# Altium PCB ELRS Gemini TX.PcbDoc (part 2 of 2)
Units mm, origin at the board's own origin, x right, y up, seen from the top; angles counter-clockwise.
Board outline 80 x 100 mm, 4 copper layers (L1 - Top, L2 - GND, L3 - Power, L4 - Bottom), stack 1.591 mm thick; 125 components, 64 nets, 367 pads, 564 vias.
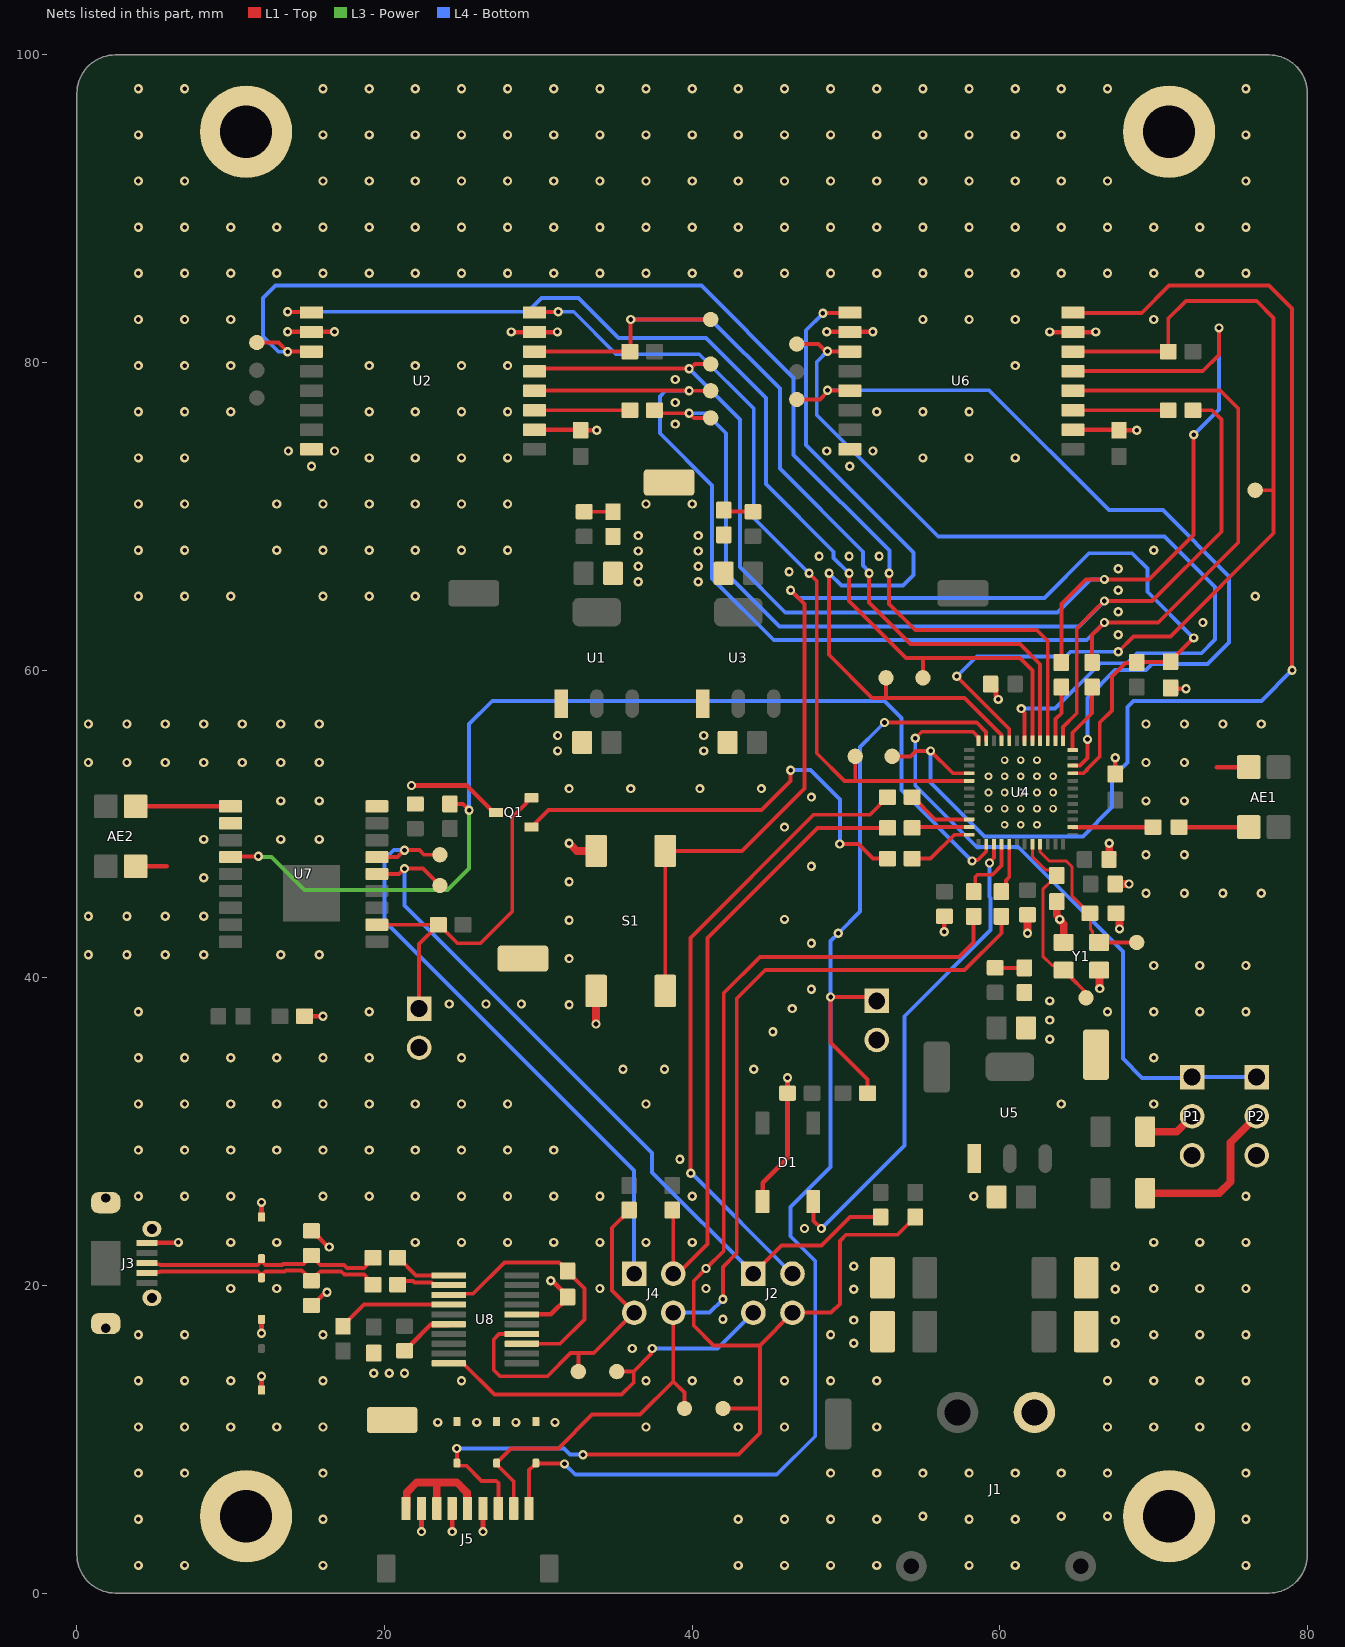
[diagram p4: the nets of this part, all layers, seen from the top]

## Via types
v1: diameter 0.6, hole 0.3, L1 - Top to L4 - Bottom, tented both sides, 543 vias
v2: diameter 0.5, hole 0.25, L1 - Top to L4 - Bottom, tented bottom, 21 vias

## Nets (pads, with @x,y where several pads share a name; then routed paths per layer and width w, separated by ;. In a path a pad name is that pad's centre, name@x,y a point inside that pad or via, vN(x,y) a via of type N, cw(c..) or ccw(c..) an arc to the next point about the centre after c; other vN are vias at no path point) (continued)
DIO1_2: TP25.1 U4.10 U6.13 | length 54.8
  L1 - Top w0.254: TP25.1@46.8,77.6 48.3,77.6 v1@48.8,78.1 ; v1(48.8,78.2) 48.815,78.185 50.235,78.185 U6.13@50.25,78.17 ; U4.10@64.73,53.8 65.2,53.8 65.7,54.3 v1(65.7,55.5)
  L4 - Bottom w0.254: v1(48.8,78.2) 59.3,78.2 67.1,70.4 70.6,70.4 74.9,66.1 74.9,61.8 73.5,60.4 69.9,60.4 69.5,60 67.5,60 65.7,58.2 v1(65.7,55.5)
ESP01_BOOT0: J7.1 Q1.3 R17.2 U7.11 | length 24.1
  L1 - Top w0.254: U7.11@19.5,43.45 R17.2@23.5,43.45 ; J7.1@22.25,38 22.25,42.2 R17.2@23.5,43.45 ; Q1.3@29.55,51.7 29.4,51.7 29.227,51.527 29.227,51.377 28.3,50.45 28.3,44.3 26.25,42.25 24.75,42.25 23.55,43.45 R17.2@23.5,43.45
ESP01_EN: R21.2 U4.38 U7.4 | length 69.8
  L1 - Top w0.254: U7.4@10,47.85 10.025,47.875 11.775,47.875 v1(11.8,47.9) ; R21.2@24.25,51.3 25.1,51.3 v1(25.5,50.9) ; v1(58.2,47.6) 58.266,47.666 58.566,47.666 59.115,48.215 U4.38@59.115,48.685
  L3 - Power w0.254: v1@11.8,47.85 12.65,47.85 14.8,45.7 24.1,45.7 25.5,47.1 v1(25.5,50.9)
  L4 - Bottom w0.254: v1(25.5,50.9) 25.5,56.5 27,58 52.5,58 53.6,56.9 53.6,52.2 v1(58.2,47.6)
ESP01_RX: J2.1 R5.1 TP26.1 U7.14 | length 50.2
  L1 - Top w0.254: U7.14@19.5,46.75 20.95,46.75 v1(21.3,47.1) 22.5,47.1 TP26.1@23.6,46 ; J2.1@43.98,20.77 45.81,22.6 48.4,22.6 50.25,24.45 R5.1@52.25,24.45
  L4 - Bottom w0.254: v1(21.3,47.1) 21.3,44.7 37.4,28.6 37.4,27.35 J2.1@43.98,20.77
ESP01_TX: J4.1 TP27.1 U7.15 | length 39.6
  L1 - Top w0.254: U7.15@19.5,47.85 20.85,47.85 v1(21.3,48.3) 22.279,48.3 22.579,48 TP27.1@23.6,48
  L4 - Bottom w0.254: v1(21.3,48.3) 20.6,48.3 20,47.7 20,43.7 36.23,27.47 J4.1@36.23,20.77
ESP01F_ANT: AE2.1 U7.1 | length 6.2
  L1 - Top w0.289: AE2.1@3.82,51.15 U7.1@10,51.15
ESP32_ANT: AE1.1 C12.2 | length 4.8
  L1 - Top w0.289: C12.2@71.35,49.8 AE1.1@76.18,49.8
ESP32_BOOT0: D11.2 J5.9 J6.1 R15.2 U4.23 | length 90.1
  L1 - Top w0.254: J5.9@29.4,5.5 29.4,8.01 29.672,8.282 29.742,8.282 29.84,8.38 D11.2@29.84,8.45 29.865,8.425 31.675,8.425 v1(31.7,8.4) ; R15.2@51.4,32.5 51.4,33.4 49,35.8 v1(49,38.75) 51.75,38.75 J6.1@52,38.5 ; v1(52.5,56.6) 58.5,56.6 59.113,55.987 59.113,55.417 U4.23@59.115,55.415
  L4 - Bottom w0.254: v1(31.7,8.4) 32.4,7.7 45.5,7.7 48,10.2 48,21.6 46.4,23.2 46.4,25.1 49,27.7 49,42.4 v1(49.5,42.9) 50.9,44.3 50.9,55 52.029,56.129 v1(52.5,56.6)
ESP32_EN: C15.2 R4.1 S1.3 S1.4 U4.9 | length 78
  L1 - Top w0.254: S1.4@38.25,39.15 S1.3@38.25,48.25 43.25,48.25 47.3,52.3 47.3,64.3 v1(46.4,65.2) ; U4.9@64.73,53.3 65.451,53.3 65.668,53.517 65.668,53.559 66.496,54.387 66.496,56.596 67.287,57.387 67.287,59.587 68.168,60.468 68.868,60.468 68.925,60.525 71.075,60.525 C15.2@71.1,60.55 71.1,60.6 v1(72.6,62.1)
  L4 - Bottom w0.254: v1(46.4,65.2) 46.9,64.7 62.9,64.7 65.8,67.6 68.6,67.6 69.6,66.6 69.6,65.1 v1(72.6,62.1)
ESP32_PASS_RX: J4.4 R9.2 R12.1 | length 41.8
  L1 - Top w0.254: R12.1@38.7,24.9 38.77,24.83 J4.4@38.77,20.77 39.07,20.77 41,22.7 41,42.6 48.15,49.75 R9.2@52.7,49.75
ESP32_PASS_TX: J2.4 R8.2 | length 41.1
  L1 - Top w0.254: v1@39.9,27.402 39.9,42.6 47.9,50.6 51.55,50.6 R8.2@52.7,51.75
  L4 - Bottom w0.254: v1(39.9,27.3) 39.945,27.3 46.475,20.77 J2.4@46.52,20.77
ESP32_RX: D9.2 J2.3 J5.7 R11.1 R13.2 TP10.1 | length 97
  L1 - Top w0.254: v1(24.7,9.4) D9.2@24.7,8.45 24.7,8.38 24.798,8.282 25.318,8.282 26.3,7.3 27.251,7.3 27.4,7.151 J5.7@27.4,5.5 ; v1(32.9,9) 43,9 44.4,10.4 44.4,12.002 ; TP10.1@42,12 44.398,12 44.4,12.002 ; R11.1@54.5,24.45 54.5,24.4 54.127,24.027 54.077,24.027 53.35,23.3 50,23.3 49.6,22.9 49.6,18.8 49.03,18.23 J2.3@46.52,18.23 44.4,16.11 ; R13.2@58.3,44 58.3,42.3 57.349,41.349 44.399,41.349 42.051,39.001 42.051,22.251 v1(40.9,21.1) 40.1,20.3 40.1,17.4 41.39,16.11 44.4,16.11 ; 44.4,12.002 44.4,16.11
  L4 - Bottom w0.254: v1(24.7,9.4) 31.663,9.4 32.063,9 v1(32.9,9)
ESP32_TX: D10.2 J4.3 J5.8 R14.2 TP9.1 | length 67.3
  L1 - Top w0.254: J5.8@28.4,5.5 28.4,7.26 27.28,8.38 D10.2@27.28,8.45 27.28,8.52 27.378,8.618 27.448,8.618 28.23,9.4 31.3,9.4 33.5,11.6 36.6,11.6 38.77,13.77 ; J4.3@38.77,18.23 38.77,13.77 ; TP9.1@39.5,12 39.5,13.04 38.77,13.77 ; v1(42,19.1) 42,21.2 42.9,22.1 42.9,38.65 44.75,40.5 57.7,40.5 60.1,42.9 R14.2@60.1,44
  L4 - Bottom w0.254: J4.3@38.77,18.23 41.13,18.23 v1(42,19.1)
FT231_RST: R23.1 U8.14 | length 7.5
  L1 - Top w0.254: R23.1@17.3,17.35 17.3,17.4 18.653,18.752 U8.14@24.175,18.752
FTDI_3V3: C19.1 U8.3 U8.13 | length 17.2
  L1 - Top w0.254: U8.13@24.175,19.387 24.248,19.46 25.761,19.46 27.8,21.5 31.35,21.5 31.477,21.373 31.527,21.373 31.9,21 C19.1@31.9,20.95 31.9,20.9 33,19.8 33,17.8 31.413,16.212 U8.3@28.925,16.212
GND: AE1.2 AE2.2 C1.1 C2.1 C3.1 C4.1 C5.1 C6.1 C7.1 C8.1 C9.1 C10.1 C11.1 C13.1 C14.1 C15.1 C16.1 C17.1 C18.1 C19.2 C20.1 C21.1 C22.1 C23.1 C24.1 C25.1 C26.1 C27.1 C28.1 C29.1 D1.3 D6.1 D7.1 D8.1 D9.1 D10.1 D11.1 J1.2 J3.5 J3.MH1 J3.MH2 J3.MH3 J3.MH4 J5.2 J5.4 J5.6 J6.2 J7.2 MH1.1 MH2.1 MH3.1 MH4.1 P1.3 P2.3 Q1.2 R18.1 R19.1 R20.1 R22.1 S1.1 S1.2 TP5.1 TP6.1 TP7.1 TP8.1 U1.1 U2.2 U2.7 U2.10 U2.16 U3.1 U4.49 U5.1 U6.2 U6.7 U6.10 U6.16 U7.2 U7.18 U8.6 U8.16 Y1.2 Y1.4 | length 78.1
  L1 - Top w0.3: AE2.2@3.82,47.25 5.85,47.25 ; J3.5@4.55,22.75 4.575,22.775 6.575,22.775 v1(6.6,22.8) ; D8.1@12,13.2 v1(12,14.1) ; v1(12,16.9) D7.1@12,17.8 ; D6.1@12,24.45 v1(12,25.4) ; v1(13.7,82) v1(16.75,82) ; R22.1@14.8,37.5 v1(16,37.5) ; C23.1@15.25,18.7 15.3,18.7 16.097,19.497 16.195,19.497 v1(16.261,19.564) ; C22.1@15.25,23.55 15.3,23.55 16.35,22.5 v1(16.4,22.5) ; C21.1@21.3,15.75 21.35,15.75 21.7,16.1 21.7,16.15 22.983,17.433 24.125,17.433 U8.16@24.175,17.482 ; v1(21.75,52.5) 25.35,52.5 27.1,50.75 Q1.2@27.25,50.75 ; v1(22.4,4) J5.2@22.4,5.5 ; v1(24.4,4) J5.4@24.4,5.5 ; v1(26.4,4) J5.6@26.4,5.5 ; v1(28.24,81.99) 28.25,81.98 29.73,81.98 29.74,81.97 U2.7@29.75,81.98 31.23,81.98 v1(31.24,81.99) ; U8.6@28.925,18.117 30.818,18.117 31.9,19.2 C19.2@31.9,19.25 31.9,19.3 30.957,20.243 30.857,20.243 v1(30.8,20.3) ; U2.2@29.75,75.63 32.72,75.63 C1.1@32.75,75.6 v1(33.8,75.6) ; D1.3@44.566,25.451 44.583,25.468 44.583,26.683 46.2,28.3 C16.1@46.2,32.5 v1(46.2,33.5) ; v1(48.75,82) 48.76,81.99 50.24,81.99 U6.10@50.25,81.98 50.26,81.99 51.74,81.99 v1(51.75,82) ; v1(56.385,43) C7.1@56.385,43.985 ; C6.1@59.4,59.1 59.75,58.75 59.75,58.331 59.9,58.181 v1(59.9,58.1) ; v1(63.24,81.99) 63.25,81.98 64.73,81.98 64.74,81.97 U6.7@64.75,81.98 66.23,81.98 v1(66.24,81.99) ; U6.2@64.75,75.63 67.72,75.63 C17.1@67.75,75.6 v1(68.9,75.6) ; C4.1@67.5,53.25 v1(67.5,54.3) ; C15.1@71.1,58.85 71.15,58.8 v1(72.1,58.8) ; 74.1,53.7 AE1.2@76.18,53.7
  L1 - Top w0.5: v1(32,48.75) 32.5,48.25 S1.1@33.75,48.25 ; v1(33.75,37) S1.2@33.75,39.15 ; v1(61.8,42.9) C8.1@61.8,44.1 ; C28.1@63.7,44.95 63.7,44.081 63.9,43.881 v1(63.9,43.8) 63.9,43.736 64.15,43.486 Y1.2@64.15,42.6 ; v1(66.5,39.3) 66.481,39.319 66.481,40.731 Y1.4@66.5,40.75 ; v1(67.116,48.753) 67.116,48 C9.1@67.35,48 ; C5.1@67.5,46.1 v1(68.4,46.1) ; C29.1@67.55,44.2 67.782,43.968 v1(67.782,43.182)
  other v1: 4,1.8 7,1.8 16,1.8 43,1.8 46,1.8 49,1.8 52,1.8 58,1.8 61,1.8 76,1.8 4,4.8 16,4.8 43,4.8 46,4.8 49,4.8 52,4.8 58,4.8 61,4.8 76,4.8 55,5 64,5 67,5 4,7.8 7,7.8 16,7.8 49,7.8 52,7.8 55,7.8 58,7.8 61,7.8 64,7.8 67,7.8 76,7.8 4,10.8 7,10.8 10,10.8 13,10.8 16,10.8 37,10.8 43,10.8 46,10.8 52,10.8 67,10.8 70,10.8 73,10.8 76,10.8 23.46,11.1 26,11.1 28.54,11.1 31.08,11.1 4,13.8 7,13.8 10,13.8 16,13.8 25,13.8 37,13.8 40,13.8 43,13.8 46,13.8 49,13.8 52,13.8 67,13.8 70,13.8 73,13.8 76,13.8 19.3,14.3 20.3,14.3 21.3,14.3 36.1,15.9 50.5,16.25 67.5,16.25 4,16.8 7,16.8 16,16.8 49,16.8 70,16.8 73,16.8 76,16.8 50.5,17.75 67.5,17.75 42,17.8 50.5,19.75 67.5,19.75 10,19.8 13,19.8 34,19.8 40.9,19.8 70,19.8 73,19.8 76,19.8 50.5,21.25 67.5,21.25 10,22.8 13,22.8 22,22.8 25,22.8 28,22.8 31,22.8 34,22.8 37,22.8 40,22.8 70,22.8 73,22.8 76,22.8 47.3,23.7 4,25.8 7,25.8 10,25.8 16,25.8 19,25.8 22,25.8 25,25.8 28,25.8 31,25.8 34,25.8 40,25.8 58.3,25.8 76,25.8 39.2,28.2 4,28.8 7,28.8 10,28.8 13,28.8 16,28.8 19,28.8 22,28.8 25,28.8 28,28.8 31,28.8 4,31.8 7,31.8 10,31.8 13,31.8 16,31.8 19,31.8 22,31.8 25,31.8 28,31.8 37,31.8 64,31.8 70,31.8 35.5,34.05 38.2,34.05 44,34.05 4,34.8 7,34.8 10,34.8 13,34.8 16,34.8 19,34.8 25,34.8 70,34.8 63.25,36 45.25,36.5 63.25,37.25 4,37.8 19,37.8 67,37.8 70,37.8 73,37.8 76,37.8 46.5,38 32,38.25 24.2,38.3 26.6,38.3 28.9,38.3 63.25,38.5 47.75,39.25 70,40.8 73,40.8 76,40.8 32,41.25 0.75,41.5 3.25,41.5 5.75,41.5 8.25,41.5 13.25,41.5 15.75,41.5 47.75,42.25 32,43.75 46,43.8 0.75,44 3.25,44 5.75,44 8.25,44 69.5,45.5 72,45.5 74.5,45.5 77,45.5 32,46.25 8.25,46.5 47.75,47.25 69.5,48 72,48 8.25,49 13.25,49 15.75,49 46,49.8 13.25,51.5 15.75,51.5 69.5,51.5 72,51.5 47.75,51.75 32,52.3 36,52.3 40.5,52.3 44.5,52.3 0.75,54 3.25,54 5.75,54 8.25,54 10.75,54 13.25,54 15.75,54 69.5,54 72,54 31.25,54.75 40.75,54.75 31.25,55.75 40.75,55.75 0.75,56.5 3.25,56.5 5.75,56.5 8.25,56.5 10.75,56.5 13.25,56.5 15.75,56.5 69.5,56.5 72,56.5 74.5,56.5 77,56.5 67.7,62.3 73.2,63.1 67.7,63.8 4,64.8 7,64.8 10,64.8 16,64.8 19,64.8 22,64.8 76.6,64.8 67.7,65.2 36.5,65.75 40.4,65.75 46.3,66.4 67.7,66.6 36.5,66.75 40.4,66.75 48.25,67.4 50.2,67.4 52.15,67.4 36.5,67.75 40.4,67.75 4,67.8 7,67.8 13,67.8 16,67.8 19,67.8 22,67.8 25,67.8 28,67.8 70,67.8 36.5,68.75 40.4,68.75 4,70.8 7,70.8 13,70.8 16,70.8 19,70.8 22,70.8 25,70.8 28,70.8 37,70.8 40,70.8 15.25,73.25 50.25,73.25 4,73.8 7,73.8 19,73.8 22,73.8 25,73.8 28,73.8 55,73.8 58,73.8 61,73.8 13.75,74.25 16.75,74.25 48.75,74.25 51.75,74.25 38.9,76 4,76.8 7,76.8 10,76.8 19,76.8 22,76.8 25,76.8 28,76.8 52,76.8 55,76.8 58,76.8 38.9,77.4 38.9,78.9 4,79.8 7,79.8 10,79.8 19,79.8 22,79.8 25,79.8 28,79.8 61,79.8 4,82.8 7,82.8 10,82.8 55,82.8 58,82.8 61,82.8 70,82.8 4,85.8 7,85.8 10,85.8 13,85.8 16,85.8 19,85.8 22,85.8 25,85.8 28,85.8 31,85.8 34,85.8 37,85.8 40,85.8 43,85.8 46,85.8 49,85.8 52,85.8 55,85.8 58,85.8 61,85.8 64,85.8 67,85.8 70,85.8 73,85.8 76,85.8 4,88.8 7,88.8 10,88.8 13,88.8 16,88.8 19,88.8 22,88.8 25,88.8 28,88.8 31,88.8 34,88.8 37,88.8 40,88.8 43,88.8 46,88.8 49,88.8 52,88.8 55,88.8 58,88.8 61,88.8 64,88.8 67,88.8 70,88.8 73,88.8 76,88.8 4,91.8 7,91.8 16,91.8 19,91.8 22,91.8 25,91.8 28,91.8 31,91.8 34,91.8 37,91.8 40,91.8 43,91.8 46,91.8 49,91.8 52,91.8 55,91.8 58,91.8 61,91.8 64,91.8 67,91.8 76,91.8 4,94.8 16,94.8 19,94.8 22,94.8 25,94.8 28,94.8 31,94.8 34,94.8 37,94.8 40,94.8 43,94.8 46,94.8 49,94.8 52,94.8 55,94.8 58,94.8 61,94.8 64,94.8 76,94.8 4,97.8 7,97.8 16,97.8 19,97.8 22,97.8 25,97.8 28,97.8 31,97.8 34,97.8 37,97.8 40,97.8 43,97.8 46,97.8 49,97.8 52,97.8 55,97.8 58,97.8 61,97.8 64,97.8 67,97.8 76,97.8
  other v2: 60.315,49.95 61.365,49.95 62.415,49.95 59.265,51 60.315,51 61.365,51 62.415,51 63.465,51 59.265,52.05 60.315,52.05 61.365,52.05 62.415,52.05 63.465,52.05 59.265,53.1 60.315,53.1 61.365,53.1 62.415,53.1 63.465,53.1 60.315,54.15 61.365,54.15 62.415,54.15
IO23: R16.1 U4.36 | length 4.3
  L1 - Top w0.254: R16.1@54.3,47.75 55.5,47.75 57.05,49.3 U4.36@58,49.3
LED_ESP: D4.2 R20.2 | length 1.9
  L1 - Top w0.254: D4.2@59.7,40.65 R20.2@61.6,40.65
LED_RX1: D2.2 R18.2 | length 1.9
  L1 - Top w0.254: D2.2@32.975,70.3 R18.2@34.85,70.3
LED_RX2: D3.2 R19.2 | length 1.9
  L1 - Top w0.254: R19.2@42.05,70.4 42.138,70.312 43.938,70.312 D3.2@43.95,70.3
NetC12_1: C12.1 U4.2 | length 4.9
  L1 - Top w0.289: U4.2@64.73,49.8 C12.1@69.65,49.8
NetC28_2: C28.2 TP31.1 U4.44 Y1.3 | length 12.6
  L1 - Top w0.203: U4.44@62.115,48.685 62.117,48.683 62.117,47.883 63,47 63.35,47 C28.2@63.7,46.65 63.7,46.6 63.327,46.227 63.277,46.227 62.8,45.75 62.8,41.4 63.4,40.8 Y1.3@64.15,40.8
  L1 - Top w0.254: Y1.3@64.15,40.5 64.25,40.5 64.673,40.077 64.673,39.977 65.457,39.193 65.457,38.843 TP31.1@65.6,38.7
NetC29_2: C29.2 TP30.1 U4.45 Y1.1 | length 11.1
  L1 - Top w0.203: U4.45@62.615,48.685 62.617,48.683 62.617,48.183 63.2,47.6 64.3,47.6 64.7,47.2 64.7,45.3 65.55,44.45 65.9,44.45 65.9,43.15 66.014,43.036 66.014,42.748 66.163,42.6 Y1.1@66.45,42.6
  L1 - Top w0.254: Y1.1@66.45,42.3 TP30.1@68.9,42.3
NetF1_1: F1.1 P1.2 | length 3.5
  L1 - Top w0.5: F1.1@69.45,30 71.5,30 P1.2@72.5,31
NetF2_1: F2.1 P2.2 | length 10.8
  L1 - Top w0.5: F2.1@69.45,26 74.25,26 75,26.75 75,29.3 P2.2@76.7,31
NetQ1_1: Q1.1 R16.2 | length 29.2
  L1 - Top w0.254: Q1.1@29.55,49.8 30.65,50.9 44.5,50.9 46.4,52.8 v1(46.4,53.5) ; v1(49.6,48.7) 50.8,48.7 51.75,47.75 R16.2@52.7,47.75
  L4 - Bottom w0.254: v1(46.4,53.5) 47.7,53.5 49.6,51.6 v1(49.6,48.7)
NetR1_2: R1.2 U2.3 | length 6.2
  L1 - Top w0.254: U2.3@29.75,76.9 R1.2@35.95,76.9
NetR6_2: R6.2 U4.12 | length 4.6
  L1 - Top w0.254: U4.12@64.73,54.8 64.73,55.93 66,57.2 R6.2@66,58.9
NetR7_2: R7.2 U4.14 | length 3.6
  L1 - Top w0.254: U4.14@63.615,55.415 63.615,56.815 64,57.2 R7.2@64,58.9
NetR8_1: R8.1 U4.34 | length 4.3
  L1 - Top w0.254: R8.1@54.3,51.75 54.35,51.75 55.8,50.3 U4.34@58,50.3
NetR9_1: R9.1 U4.35 | length 3.7
  L1 - Top w0.254: R9.1@54.3,49.75 54.35,49.8 U4.35@58,49.8
NetR10_2: R10.2 U6.3 | length 6.2
  L1 - Top w0.254: U6.3@64.75,76.9 R10.2@70.95,76.9
NetR13_1: R13.1 U4.40 | length 4.5
  L1 - Top w0.254: R13.1@58.4,45.467 58.4,46.551 58.549,46.7 59.526,46.7 60.115,47.289 U4.40@60.115,48.685
NetR14_1: R14.1 U4.41 | length 3.3
  L1 - Top w0.254: R14.1@60.1,45.6 60.403,45.903 60.403,46.334 60.615,46.545 U4.41@60.615,48.685
NetR24_2: R24.2 U8.12 | length 3.5
  L1 - Top w0.254: R24.2@20.85,20.05 21.1,20.3 21.861,20.3 21.958,20.204 23.069,20.204 23.25,20.022 U8.12@24.175,20.022
NetR25_2: R25.2 U8.11 | length 3.8
  L1 - Top w0.254: R25.2@20.85,21.8 20.9,21.8 22.043,20.657 U8.11@24.175,20.657
NRST1: TP20.1 U2.11 U4.15 | length 80.9
  L1 - Top w0.254: TP20.1@11.7,81.3 13.1,81.3 v1(13.7,80.7) 13.705,80.705 15.245,80.705 U2.11@15.25,80.71 ; v1@52.8,66.448 v1(52.8,66.3) 52.8,64.3 54.5,62.6 62.4,62.6 63.115,61.885 U4.15@63.115,55.415
  L4 - Bottom w0.254: v1(13.7,80.7) 13.1,80.7 12.1,81.7 12.1,84.2 12.9,85 40.6,85 46.6,79 46.6,74 52.831,67.769 52.831,66.331 v1(52.8,66.3)
NRST2: TP21.1 U4.18 U6.11 | length 58.7
  L1 - Top w0.254: TP21.1@46.8,81.2 48.2,81.2 v1@48.8,80.6 ; v1(48.8,80.74) 48.815,80.725 50.235,80.725 U6.11@50.25,80.71 ; v1(61.4,57.5) 61.4,57.419 61.615,57.204 U4.18@61.615,55.415
  L4 - Bottom w0.254: v1(48.8,80.74) 48.1,80.04 48.1,76.6 56,68.7 70.7,68.7 74,65.4 74,62 73.1,61.1 68.9,61.1 68.25,60.45 66.55,60.45 63.6,57.5 v1(61.4,57.5)
PWM_FAN: P1.1 P2.1 U4.24 | length 41.9
  L1 - Top w0.254: v1(54.5,55.574) 54.926,56 58.25,56 58.615,55.635 U4.24@58.615,55.415
  L4 - Bottom w0.254: v1(54.5,55.574) 54.5,52.5 58.5,48.5 61.2,48.5 68,41.7 68,34.75 69.25,33.5 72.46,33.5 P1.1@72.5,33.54 P2.1@76.7,33.54
RGB_LED: D1.4 U4.39 | length 31.7
  L1 - Top w0.254: D1.4@47.866,25.451 47.9,25.417 47.9,24.2 v1(48.4,23.7) ; v1(59.329,47.466) 59.329,47.523 59.615,47.809 U4.39@59.615,48.685
  L4 - Bottom w0.254: v1(48.4,23.7) 53.8,29.1 53.8,37.5 59.4,43.1 59.4,45.201 59.329,45.272 v1(59.329,47.466)
RXEN_1: TP16.1 U2.8 U4.29 | length 53.2
  L1 - Top w0.254: U2.8@29.75,83.25 29.775,83.275 31.275,83.275 v1(31.3,83.3) ; v1(47.6,66.3) 48.1,65.8 48.1,54.6 49.9,52.8 50.6,52.8 ; TP16.1@50.6,54.4 50.6,52.8 ; U4.29@58,52.8 50.6,52.8
  L4 - Bottom w0.254: v1(31.3,83.3) 32.3,83.3 35.061,80.539 40.461,80.539 44,77 44,69.9 v1(47.6,66.3)
RXEN_2: TP18.1 U4.28 U6.8 | length 79.6
  L1 - Top w0.254: TP18.1@53,54.4 54.2,54.4 54.55,54.75 v1(55.5,54.75) 56.95,53.3 U4.28@58,53.3 ; U6.8@64.75,83.25 64.775,83.225 69.225,83.225 71,85 77.5,85 79,83.5 v1(79,60)
  L4 - Bottom w0.254: v1(55.5,54.75) 55.5,52.7 59,49.2 65.4,49.2 67.3,51.1 67.3,53 68.3,54 68.3,57.6 68.7,58 77,58 v1(79,60)
SPI.MISO: R1.1 R10.1 TP12.1 U4.13 | length 71.7
  L1 - Top w0.254: R1.1@37.55,76.9 37.75,76.7 v1@39.894,76.7 ; v1(39.8,76.7) 39.822,76.7 40.122,76.4 TP12.1@41.2,76.4 ; U4.13@64.115,55.415 64.115,56.315 65,57.2 65,62.706 66.394,64.1 66.4,64.1 v1(66.8,64.5) 69.9,64.5 74.4,69 74.4,76.3 73.8,76.9 R10.1@72.55,76.9
  L4 - Bottom w0.254: v1(39.8,76.7) 40.9,76.7 42.2,75.4 42.2,66.327 45.677,62.85 65.15,62.85 v1(66.8,64.5)
SPI.MOSI: R6.1 TP11.1 U2.4 U6.4 | length 88.1
  L1 - Top w0.254: U2.4@29.75,78.17 v1@39.796,78.17 ; v1(39.8,78.166) TP11.1@41.2,78.166 ; U6.4@64.75,78.17 74.33,78.17 75.5,77 75.5,68.3 70.3,63.1 v1(66.8,63.1) 66,62.3 R6.1@66,60.5
  L4 - Bottom w0.254: v1(39.8,78.166) 38.266,78.166 37.9,77.8 37.9,75.4 41.3,72 41.3,65.954 45.304,61.95 65.65,61.95 v1(66.8,63.1)
SPI.nCS1: R2.1 TP14.1 U2.6 U4.16 | length 59.1
  L1 - Top w0.254: U2.6@29.75,80.71 R2.1@35.95,80.71 36,80.76 v1(36,82.8) TP14.1@41.2,82.8 ; v1@51.5,66.317 v1(51.5,66.3) 51.5,64.4 54.2,61.7 61.3,61.7 62.615,60.385 U4.16@62.615,55.415
  L4 - Bottom w0.254: v1(36,82.8) 41.2,82.8 45.7,78.3 45.7,73.1 51.1,67.7 51.1,66.794 51.5,66.394 v1(51.5,66.3)
SPI.nCS2: R3.1 TP15.1 U4.20 U6.6 | length 61.4
  L1 - Top w0.254: v1(57.2,59.6) 60.613,56.187 60.613,55.417 U4.20@60.615,55.415 ; U6.6@64.75,80.71 R3.1@70.95,80.71 70.95,82.85 72.1,84 76.7,84 77.8,82.9 77.8,71.693 ; v1(67.7,61.2) 68.7,62.2 71.1,62.2 77.8,68.9 77.8,71.693 ; TP15.1@76.6,71.7 77.793,71.7 77.8,71.693
  L4 - Bottom w0.254: v1(57.2,59.6) 58.5,60.9 64.3,60.9 64.6,61.2 v1(67.7,61.2)
SPI.SCLK: R7.1 TP13.1 U2.5 U6.5 | length 91.8
  L1 - Top w0.254: U2.5@29.75,79.44 29.91,79.6 v1(39.8,79.6) 39.894,79.6 40.194,79.9 TP13.1@41.2,79.9 ; R7.1@64,60.5 64,64.3 65.6,65.9 v1(66.8,65.9) 69.7,65.9 72.6,68.8 v1(72.6,75.3) ; U6.5@64.75,79.44 73.19,79.44 74.25,80.5 v1(74.25,82.25)
  L4 - Bottom w0.254: v1(39.8,79.6) 43.1,76.3 43.1,66.7 46.05,63.75 63.75,63.75 65.9,65.9 v1(66.8,65.9) ; v1(72.6,75.3) 74.25,76.95 v1(74.25,82.25)
TXEN_1: TP17.1 U2.9 U4.17 | length 70.8
  L1 - Top w0.254: v1(13.7,83.3) 13.725,83.275 15.225,83.275 U2.9@15.25,83.25 ; v1@50.2,66.266 50.2,64.5 53.9,60.8 55.005,60.8 ; TP17.1@55,59.5 55,60.795 55.005,60.8 ; U4.17@62.115,55.415 62.115,59.985 61.3,60.8 55.005,60.8
  L4 - Bottom w0.254: v1(13.7,83.3) 29.3,83.3 30.2,84.2 32.6,84.2 35.2,81.6 40.9,81.6 44.8,77.7 44.8,72.1 49.2,67.7 49.2,67.3 v1(50.2,66.3)
TXEN_2: TP19.1 U4.21 U6.9 | length 48.6
  L1 - Top w0.254: v1(48.5,83.2) 48.525,83.225 50.225,83.225 U6.9@50.25,83.25 ; v1(48.9,66.3) 48.9,61 51.7,58.2 52.6,58.2 ; TP19.1@52.6,59.5 52.6,58.2 ; U4.21@60.115,55.415 60.113,55.417 60.113,55.787 57.7,58.2 52.6,58.2
  L4 - Bottom w0.254: v1(48.5,83.2) 47.4,82.1 47.4,74.637 54.4,67.637 54.4,66.2 53.7,65.5 49.7,65.5 v1(48.9,66.3)
USB_N: C23.2 D7.2 J3.2 R24.1 | length 16.4
  L1 - Top w0.254: J3.2@4.55,20.8 4.623,20.873 5.387,20.873 5.432,20.918 8.886,20.918 11.753,20.918 11.902,20.77 11.902,20.598 D7.2@12,20.5 12.098,20.598 12.098,20.77 12.247,20.918 13.515,20.918 13.576,20.979 14.618,20.979 14.827,20.77 14.827,20.673 15.2,20.3 C23.2@15.25,20.3 15.3,20.3 15.673,20.673 15.673,20.77 15.822,20.918 17.185,20.918 17.385,20.718 18.678,20.718 18.827,20.57 18.827,20.423 19.2,20.05 R24.1@19.25,20.05
USB_P: C22.2 D6.2 J3.3 R25.1 | length 16.4
  L1 - Top w0.254: J3.3@4.55,21.45 4.623,21.377 5.387,21.377 5.432,21.332 9.057,21.332 11.753,21.332 11.902,21.48 11.902,21.652 D6.2@12,21.75 12.098,21.652 12.098,21.48 12.247,21.332 13.344,21.332 13.405,21.392 14.739,21.392 14.827,21.48 14.827,21.577 15.2,21.95 C22.2@15.25,21.95 15.3,21.95 15.673,21.577 15.673,21.48 15.822,21.332 17.357,21.332 17.557,21.132 18.678,21.132 18.827,21.28 18.827,21.427 19.2,21.8 R25.1@19.25,21.8
USB_RX: J4.2 R27.1 TP28.1 U8.4 | length 23.9
  L1 - Top w0.254: U8.4@28.925,16.847 27.448,16.847 27.1,16.5 27.1,14.5 27.5,14.1 30.6,14.1 32.1,15.6 32.594,15.6 ; TP28.1@32.6,14.4 32.6,15.594 32.594,15.6 ; R27.1@35.9,24.9 35.9,24.85 34.8,23.75 34.8,19.66 J4.2@36.23,18.23 33.6,15.6 32.594,15.6
USB_TX: J2.2 TP29.1 U8.20 | length 24.5
  L1 - Top w0.254: U8.20@24.175,14.942 25.1,14.942 27.143,12.9 35.4,12.9 36.2,13.7 36.2,14.4 ; TP29.1@35.1,14.4 36.1,14.4 36.2,14.4 ; v1(37.4,15.9) 37.334,15.834 37.334,15.534 36.2,14.4
  L4 - Bottom w0.254: v1(37.4,15.9) 41.65,15.9 J2.2@43.98,18.23
VBAT: J5.1 J5.3 J5.5 | length 8.3
  L1 - Top w0.508: J5.1@21.4,5.5 21.446,5.546 21.446,6.546 22.1,7.2 23.4,7.2 ; J5.3@23.4,5.5 23.4,7.2 ; J5.5@25.4,5.5 25.354,5.546 25.354,6.546 24.7,7.2 23.4,7.2
pads on no net: AE1.3 AE1.4 AE2.3 AE2.4 D1.2 J1.MH0 J1.MH1 J3.4 J3.16 J5.10 J5.11 U2.14 U2.15 U4.7 U4.11 U4.22 U4.25 U4.26 U4.27 U4.30 U4.31 U4.32 U4.33 U4.42 U4.47 U4.48 U6.14 U6.15 U7.3 U7.6 U7.7 U7.8 U7.9 U7.10 U7.12 U7.13 U7.16 U7.19 U8.1 U8.2 U8.5 U8.7 U8.8 U8.9 U8.10 U8.17 U8.18 U8.19

## Polygon pours and split planes (outlines as drawn)
GND on L1 - Top "GND_L01_P032" (solid, pour order 32): 26.75,39.75 26,39 26,37.75 32.5,37.75 32.5,42.75 27,42.75 26.75,42.5
GND on L1 - Top "L1 - Top-GND" (solid, pour order 31): 18,9.25 23.25,9.25 23.25,10.45 31.4,10.45 31.4,11.95 23.25,11.95 23.25,12.75 22.25,13.75 22.25,16.3 18.55,16.3 18.55,13.8 18,13.25
5V on L1 - Top "5V_L01_P030" (solid, remove dead copper, pour order 30): 64.25,28.75 65,29.5 65,31.75 67.25,31.75 67.25,24.25 64.75,24.25 64.25,23.75
5V on L1 - Top "5V_L01_P009" (solid, pour order 9): 53.75,9 53.25,8.5 48,8.5 48,13.5 53.75,13.5 53.75,22.75 59.5,22.75 60.75,24 60.75,25 62,26.25 62,28.75 64.25,28.75 64.25,13.75 61.5,13.75 59.75,12 59.75,9
GND on L1 - Top "GND_L01_P027" (solid, pour order 27): 64.75,14.75 64.75,22.75 68,22.75 68,14.75
GND on L1 - Top "GND_L01_P004" (solid, pour order 4): 21,52.5 21.5,53 23,53 23,52.5 23,50.5 17.75,50.5 17.75,39.5 0.3,39.5 0.3,58 17.75,58 17.75,52.5
GND on L1 - Top "GND_L01_P028" (solid, pour order 28): 53.25,14.75 50,14.75 50,22.75 53.25,22.75
GND on L1 - Top "GND_L01_P006" (solid, pour order 6): 68.4,47.75 68.8,47.75 68.8,43.75 79.75,43.75 79.75,57.5 68.8,57.5 68.8,51.8 68.4,51.8
3.3V_RX_2 on L1 - Top "3.3V_RX_2_L01_P019" (solid, pour order 19): 55.25,68.034 55.25,63.5 60,63.5 60,68.034 68.334,68.034 69,68.7 69,74.5 67.25,74.5 67.25,71.1 46.4,71.1 44.8,69.5 43.25,69.5 43.25,65.5 43,65.25 40.75,65.25 40.75,61 42,59.75 42,57.25 42.5,56.75 43.5,56.75 44,57.25 44,61.25 45.25,62.5 45.25,67.25 47.15,67.25 47.934,68.034
GND on L1 - Top "GND_L01_P024" (solid, pour order 24): 48.25,75 52,75 52,72.75 48.25,72.75
GND on L1 - Top "GND_L01_P023" (solid, pour order 23): 13.25,75 17,75 17,72.75 13.25,72.75
3.3V_RX_1 on L1 - Top "3.3V_RX_1_L01_P020" (solid, pour order 20): 31.55,66.5 23.5,66.5 23.5,63.5 31.55,63.5 31.55,61 32.8,59.75 32.8,57.25 33.3,56.75 34.3,56.75 34.8,57.25 34.8,61.25 36.05,62.5 36.05,65.25 34,65.25 33.75,65.5 33.75,69.5 32,69.5 32,71 33.75,72.75 33.75,74.75 32,74.75 32,72.75 30.75,71.5 30.75,69.3 31.55,68.5
GND on L1 - Top "GND_L01_P021" (solid, pour order 21): 36,69.5 36,72.5 41,72.5 41,69.5 43,69.5 43,65.25 34,65.25 34,69.5
GND on L1 - Top "GND_L01_P018" (solid, pour order 18): 42.25,56.5 41.75,57 41.75,59.25 39.75,59.25 39.75,54.25 42.45,54.25 42.75,54.55 42.75,56.5
GND on L1 - Top "GND_L01_P017" (solid, pour order 17): 30.5,59.25 32.5,59.25 32.5,57 33,56.5 33.5,56.5 33.5,54.75 33,54.25 30.5,54.25
5V on L1 - Top "5V_L01_P015" (solid, pour order 15): 33.75,54.5 33.25,54 30.75,54 30.75,53 45.75,53 45.75,55.75 46.5,56.5 46.5,59.25 44.25,59.25 44.25,57 43.25,56 43.25,54 37.75,54 37,54.75 37,59.25 35,59.25 35,57 33.75,55.75
GND on L1 - Top "GND_L01_P012" (solid, pour order 12): 63.5,34.5 63.5,32.75 67.75,32.75 67.75,37.25 63.75,37.25 63.75,39.25 61,39.25 61,37.75 60.75,37.5 60.75,36.25 61.75,35.25 62.75,35.25
3.3V_ESP on L1 - Top "3.3V_ESP_L01_P010" (solid, pour order 10): 58.5,32 59.5,31 59.5,27.5 61.75,27.5 61.75,33.5 61,34.25 61,35.75 60.75,35.75 60.75,39.75 56.5,39.75 56.5,37 55,37 54.5,36.5 54.5,32
GND on L1 - Top "GND_L01_P011" (solid, pour order 11): 60.134,24.25 57.25,24.25 57.25,29.75 59,29.75 59,27.25 59.75,27.25 60.5,26.5 60.5,24.25
GND on L4 - Bottom "GND_L04_P029" (solid, pour order 29): 31.5,52.9 31.5,36.75 34.75,33.5 45.25,33.5 48.25,36.5 48.25,52.9
GND on L4 - Bottom "GND_L04_P005" (solid, pour order 5): 0.3,39.5 17.75,39.5 17.75,58 0.3,58
GND on L4 - Bottom "GND_L04_P007" (solid, pour order 7): 68.7,57.5 79.75,57.5 79.75,43.75 68.7,43.75
3.3V_ESP on L3 - Power "3.3V_ESP_L03_P013" (solid, pour order 13): 56.45,57.75 59.2,60.5 68.7,60.5 68.7,58 62.25,58 57.75,53.5 57.75,47.2 64.9,47.2 65.3,47.6 65.3,49.3 66.2,50.2 67.3,50.2 67.3,52.7 68.5,52.7 68.5,46.8 68.2,46.5 68.2,44.75 61.5,44.75 58.75,42 58.75,36.25 56.25,36.25 53.75,38.75 53.75,48.5 46,56.25 23.75,56.25 23.75,49 22.5,49 22.5,57.75
GND on L3 - Power "GND_L03_P025" (solid, pour order 25): 0,61 0,100 80,100 80,61 6.25,61
GND on L3 - Power "GND_L03_P026" (solid, pour order 26): 60.25,10.75 54.25,10.75 54.25,18 33.5,38.75 0,38.75 0,0 80,0 80,43.25 61.75,43.25 60.25,41.75
5V on L3 - Power "5V_L03_P014" (solid, pour order 14): 45.25,50.5 46,51.25 46,54 30.75,54 30.75,42.25 54.75,18.25 54.75,11.25 59.75,11.25 59.75,26.5 45.25,41
GND on L2 - GND "GND_L02_P001" (solid, pour order 8): 0,0 80,0 80,100 0,100

## Keep-outs
L2 - GND:
  region: 0.21,52.935 5.49,52.935 5.49,45.465 0.21,45.465
  region: 74.51,55.485 79.79,55.485 79.79,48.015 74.51,48.015
L3 - Power:
  region: 0.21,52.935 5.49,52.935 5.49,45.465 0.21,45.465
  region: 74.51,55.485 79.79,55.485 79.79,48.015 74.51,48.015

## Other copper
L1 - Top:
  pour cut-out: 4.6,51.65 5.6,51.65 5.6,50.65 4.6,50.65
  pour cut-out: 75.4,49.3 74.4,49.3 74.4,50.3 75.4,50.3
  pour cut-out: 4.6,47.75 5.6,47.75 5.6,46.75 4.6,46.75
  pour cut-out: 75.4,53.2 74.4,53.2 74.4,54.2 75.4,54.2

## Silkscreen, mask and mechanical layers (free items; w line width, h text height)
Top Overlay:
  drawing of 125 lines, arcs and shapes, not listed
  text "NRST 1" at 6.94,85.9 h1.25
  text "NRST 2" at 41.967,85.8 h1.25
  text "BUSY 1" at 6.94,84.9 h1.25
  text "BUSY 2" at 41.967,84.8 h1.25
  text "DIO1 1" at 6.94,83.9 h1.25
  text "DIO1 2" at 41.967,83.8 h1.25
  text "nCS1" at 42.267,82.4 h1.25
  text "SCLK" at 42.267,79.5 h1.25
  text "MOSI" at 42.267,77.766 h1.25
  text "MISO" at 42.267,76 h1.25
  text "GND" at 37.129,73.685 h1.25
  text "nCS2" at 72.769,71.3 h1.25
  text "3V3 RX1" at 23.442,62.6 h1.25
  text "3V3 RX2" at 55.242,62.6 h1.25
  text "ELRS GEMINI TX / FARRIS MATAR / MICHAEL BOTROS / SEPTEMBER 2023" at 0.75,62.186 h2.5
  text "2" at 51.134,59.098 h1.25
  text "1" at 56.053,59.098 h1.25
  text "RXEN" at 49.537,56.8 h1.25
  text "TXEN" at 53.169,56.2 h1.25
  text "1" at 49.253,53.998 h1.25
  text "2" at 53.934,53.998 h1.25
  text "TX" at 25.75,47.303 h1.25 r90
  text "ESP01 UART" at 29.487,45.407 h1.25 r90
  text "RX" at 25.75,45.272 h1.25 r90
  text "XTAL P" at 70.101,41.8 h1.25
  text "ESP32 RESET" at 41.188,39.193 h1.52 r90
  text "GND" at 27.629,38.7 h1.25
  text "FANS" at 72.733,38.559 h2
  text "XTAL N" at 66.791,38.2 h1.25
  text "3V3 ESP" at 56.144,36.465 h1.25 r90
  text "ESP32 BOOT0" at 50.23,33.637 h1.5 r90
  text "GND" at 68.8,33.629 h1.25 r90
  text "S" at 74.3,33.1 h1
  text "S" at 78.5,33.1 h1
  text "ESP01F BOOT0" at 24.98,31.627 h1.5 r90
  text "USB FLASH/DEBUG" at 6.659,29.732 h2 r270
  text "RX" at 31.872,12.65 h1.25
  text "TX" at 34.403,12.65 h1.25
  text "TX" at 38.803,10.25 h1.25
  text "RX" at 41.272,10.25 h1.25
  text "USB UART" at 31.08,10.1 h1.25
  text "5V" at 48.015,10.07 h1.25 r90
  text "5V POWER" at 67.324,9.359 h2
  text "GND" at 19.129,8.7 h1.25
  text "ESP32 UART" at 37.389,7.7 h1.25
  text "TX16 CONNECTOR" at 32.377,2.859 h2
Bottom Solder:
  drawing of 17 lines, arcs and shapes, not listed
  text "ELRS GEMINI" at 45.75,34.5 h2
M1 Board Outline:
  the board outline again, w0.254

## Text inside footprints (layer, text, board x,y; h text height)
AE1: Top Overlay "FEED" at 74.75,50.653 h0.75 r270; Top Overlay "GND" at 74.75,54.412 h0.75 r270
AE2: Top Overlay "GND" at 5.25,46.538 h0.75 r90; Top Overlay "FEED" at 5.25,50.297 h0.75 r90